# KiCad board Sofle_Pico.kicad_pcb (continued)
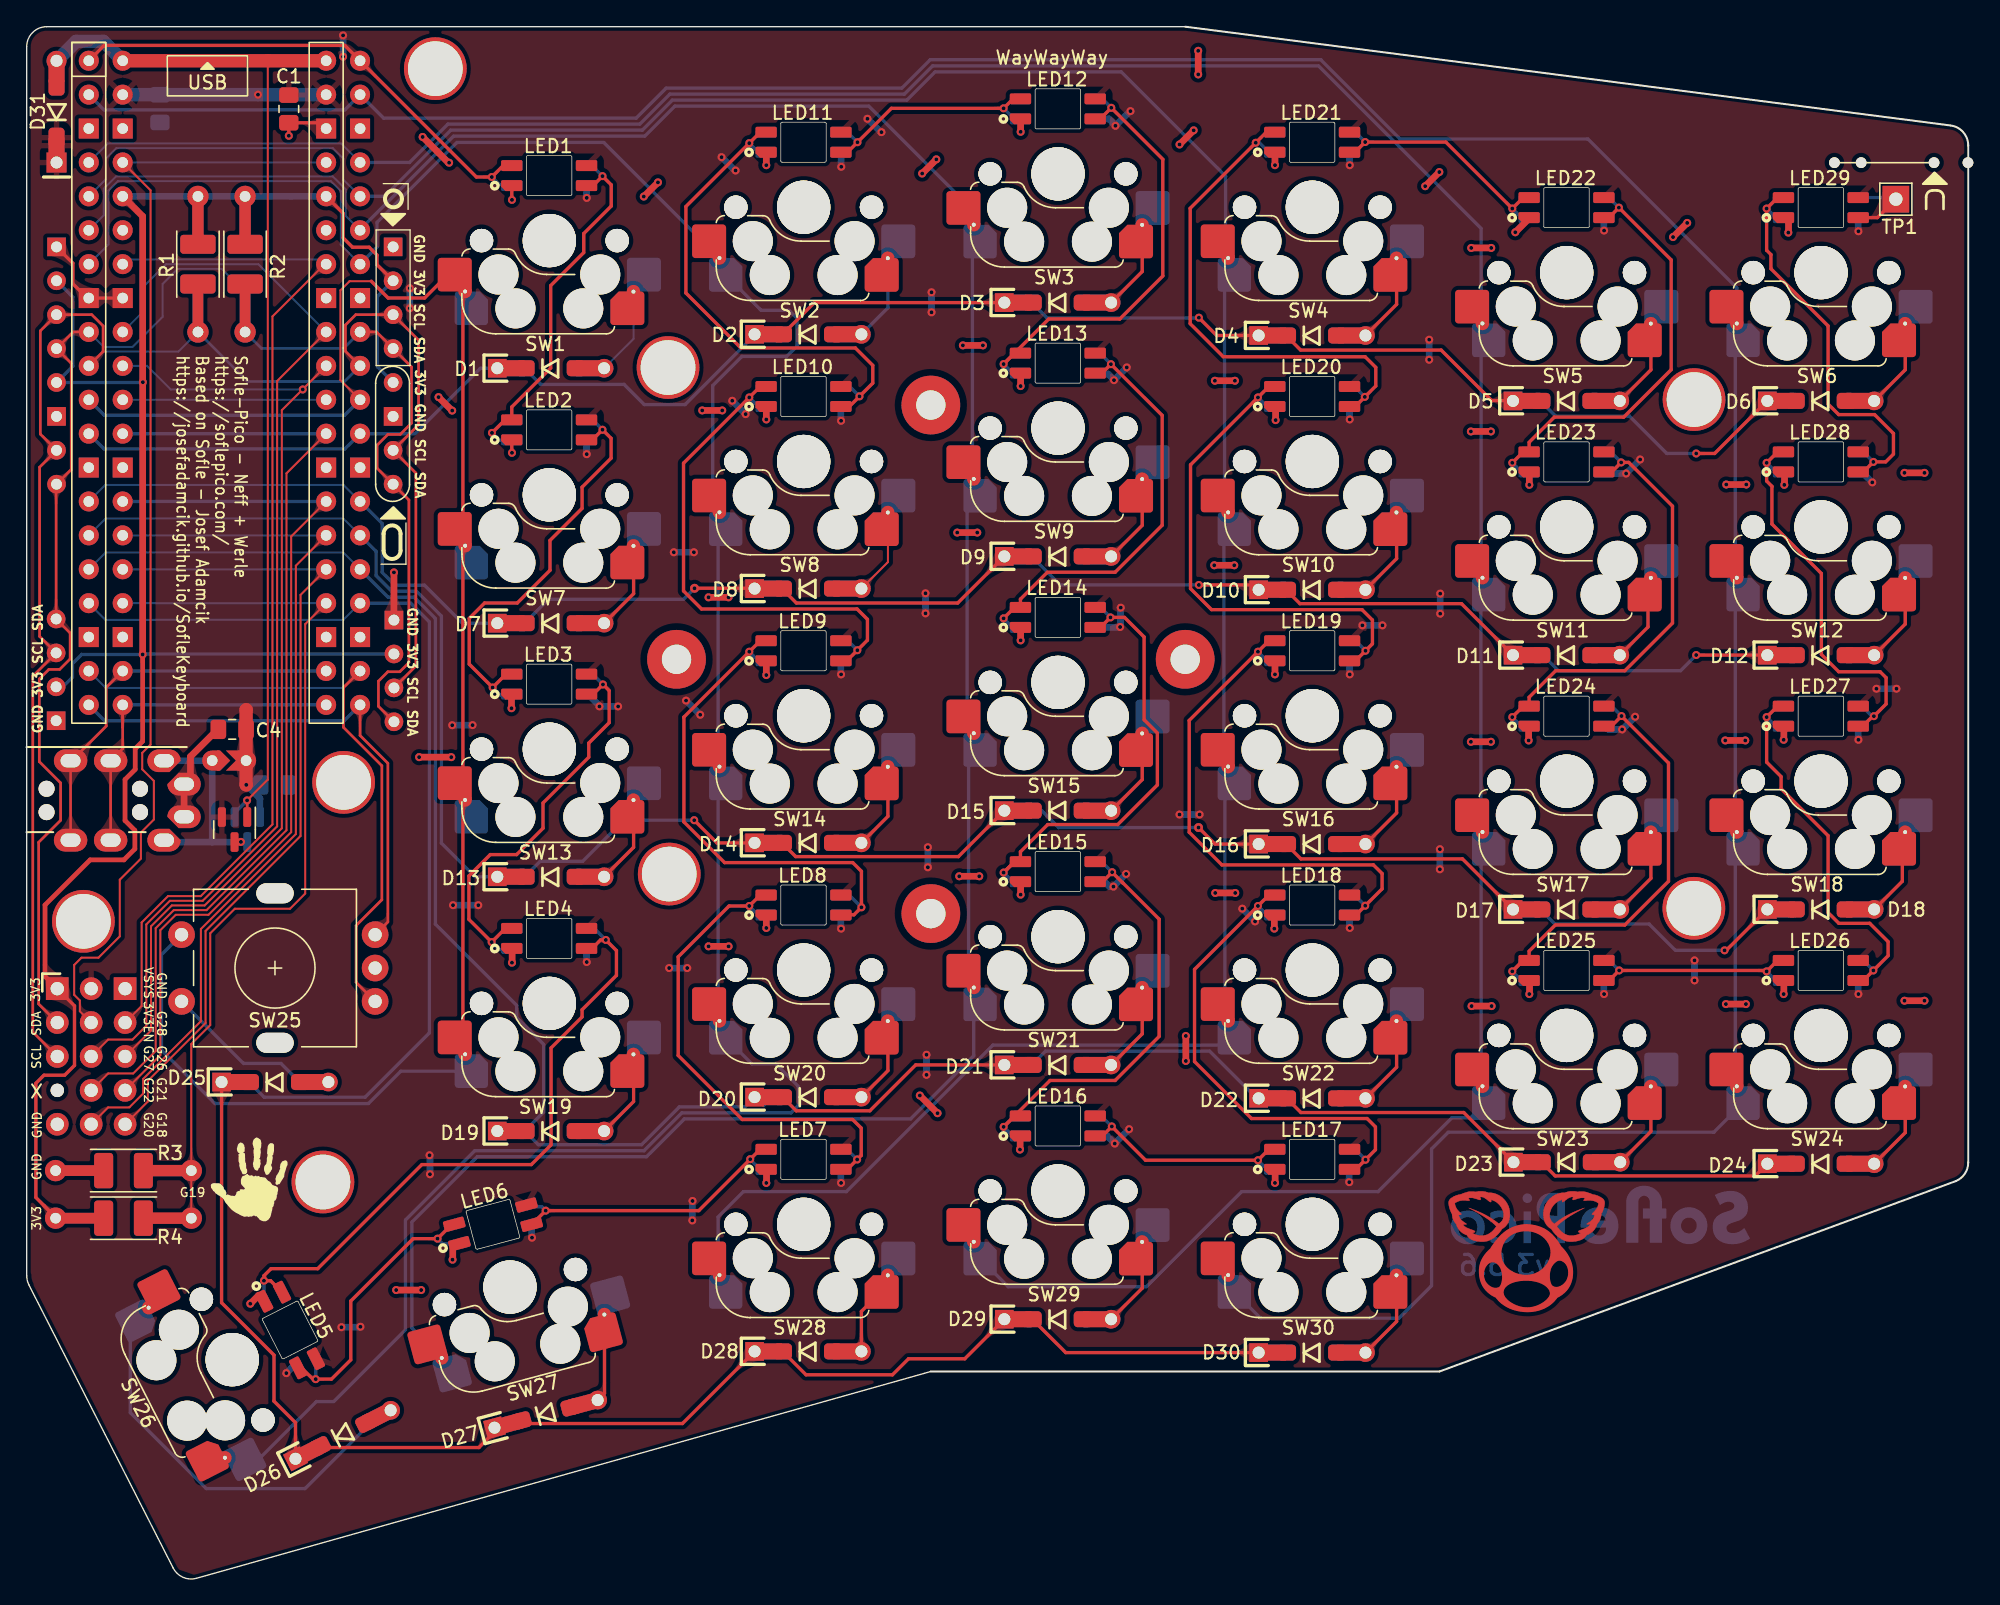
[diagram p0: board, top side]
## Nets
3V3: J1.1 J3.3 J4.3 J7.3 R1.1 R2.1 R4.2 U2.36
/3V3_EN: J5.4 U2.37
GND: C1.2 C2.2 C3.2 C4.2 J1.5 J2.1 J3.4 J4.4 J5.1 J7.4 LED1.1 LED2.1 LED3.1 LED4.1 LED5.1 LED6.1 LED7.1 LED8.1 LED9.1 LED10.1 LED11.1 LED12.1 LED13.1 LED14.1 LED15.1 LED16.1 LED17.1 LED18.1 LED19.1 LED20.1 LED21.1 LED22.1 LED23.1 LED24.1 LED25.1 LED26.1 LED27.1 LED28.1 LED29.1 R3.2 SW25.C U2.3 U2.8 U2.13 U2.18 U2.23 U2.28 U2.33 U2.38
VBUS: D31.2 Q1.1 U2.40
col0: SW6.1 SW12.1 SW18.1 SW24.1 SW30.1 U2.2
col1: SW5.1 SW11.1 SW17.1 SW23.1 SW29.1 U2.4
col2: SW4.1 SW10.1 SW16.1 SW22.1 SW28.1 U2.5
col3: SW3.1 SW9.1 SW15.1 SW21.1 SW27.1 U2.6
col4: SW2.1 SW8.1 SW14.1 SW20.1 SW26.2 U2.7
col5: SW1.1 SW7.1 SW13.1 SW19.1 SW25.S1 U2.11
ENCA: SW25.A U2.19
ENCB: SW25.B U2.20
GP18: R3.1 R4.1 U2.24
GP19: J5.9 U2.25
GP20: J5.10 U2.26
GP21: J5.7 U2.27
GP22: J5.8 U2.29
GP26: J5.5 U2.31
GP27: J5.6 U2.32
GP28: J5.3 U2.34
LED: LED1.2 U2.1
row0: D1.1 D2.1 D3.1 D4.1 D5.1 D6.1 U2.12
row1: D7.1 D8.1 D9.1 D10.1 D11.1 D12.1 U2.14
row2: D13.1 D14.1 D15.1 D16.1 D17.1 D18.1 U2.15
row3: D19.1 D20.1 D21.1 D22.1 D23.1 D24.1 U2.16
row4: D25.1 D26.1 D27.1 D28.1 D29.1 D30.1 U2.17
RX: J2.4 U2.22
SCL: J1.3 J3.2 J4.2 J7.2 R1.2 U2.10
SDA: J1.2 J3.1 J4.1 J7.1 R2.2 U2.9
SW25B: D25.2 SW25.S2
TX: J2.3 U2.21
VSYS: C1.1 C2.1 C3.1 C4.1 D31.1 J5.2 JP2.2 LED1.3 LED2.3 LED3.3 LED4.3 LED5.3 LED6.3 LED7.3 LED8.3 LED9.3 LED10.3 LED11.3 LED12.3 LED13.3 LED14.3 LED15.3 LED16.3 LED17.3 LED18.3 LED19.3 LED20.3 LED21.3 LED22.3 LED23.3 LED24.3 LED25.3 LED26.3 LED27.3 LED28.3 LED29.3 Q1.2 U2.39
Net-(D1-A): D1.2 SW1.2
Net-(D2-A): D2.2 SW2.2
Net-(D3-A): D3.2 SW3.2
Net-(D4-A): D4.2 SW4.2
Net-(D5-A): D5.2 SW5.2
Net-(D6-A): D6.2 SW6.2
Net-(D7-A): D7.2 SW7.2
Net-(D8-A): D8.2 SW8.2
Net-(D9-A): D9.2 SW9.2
Net-(D10-A): D10.2 SW10.2
Net-(D11-A): D11.2 SW11.2
Net-(D12-A): D12.2 SW12.2
Net-(D13-A): D13.2 SW13.2
Net-(D14-A): D14.2 SW14.2
Net-(D15-A): D15.2 SW15.2
Net-(D16-A): D16.2 SW16.2
Net-(D17-A): D17.2 SW17.2
Net-(D18-A): D18.2 SW18.2
Net-(D19-A): D19.2 SW19.2
Net-(D20-A): D20.2 SW20.2
Net-(D21-A): D21.2 SW21.2
Net-(D22-A): D22.2 SW22.2
Net-(D23-A): D23.2 SW23.2
Net-(D24-A): D24.2 SW24.2
Net-(D26-A): D26.2 SW26.1
Net-(D27-A): D27.2 SW27.2
Net-(D28-A): D28.2 SW28.2
Net-(D29-A): D29.2 SW29.2
Net-(D30-A): D30.2 SW30.2
Net-(JP2-A): J2.2 JP2.1 Q1.3
Net-(LED1-DOUT): LED1.4 LED2.2
Net-(LED2-DOUT): LED2.4 LED3.2
Net-(LED3-DOUT): LED3.4 LED4.2
Net-(LED4-DOUT): LED4.4 LED5.2
Net-(LED5-DOUT): LED5.4 LED6.2
Net-(LED6-DOUT): LED6.4 LED7.2
Net-(LED7-DOUT): LED7.4 LED8.2
Net-(LED8-DOUT): LED8.4 LED9.2
Net-(LED10-DIN): LED9.4 LED10.2
Net-(LED10-DOUT): LED10.4 LED11.2
Net-(LED11-DOUT): LED11.4 LED12.2
Net-(LED12-DOUT): LED12.4 LED13.2
Net-(LED13-DOUT): LED13.4 LED14.2
Net-(LED14-DOUT): LED14.4 LED15.2
Net-(LED15-DOUT): LED15.4 LED16.2
Net-(LED16-DOUT): LED16.4 LED17.2
Net-(LED17-DOUT): LED17.4 LED18.2
Net-(LED18-DOUT): LED18.4 LED19.2
Net-(LED19-DOUT): LED19.4 LED20.2
Net-(LED20-DOUT): LED20.4 LED21.2
Net-(LED21-DOUT): LED21.4 LED22.2
Net-(LED22-DOUT): LED22.4 LED23.2
Net-(LED23-DOUT): LED23.4 LED24.2
Net-(LED24-DOUT): LED24.4 LED25.2
Net-(LED25-DOUT): LED25.4 LED26.2
Net-(LED26-DOUT): LED26.4 LED27.2
Net-(LED27-DOUT): LED27.4 LED28.2
Net-(LED28-DOUT): LED28.4 LED29.2
Net-(LED29-DOUT): LED29.4 TP1.1

Pads without a net: REF** 1; U2 30 35

## Via types
v1: diameter 0.6, hole 0.3, Top to Bottom, 248 vias
v2: diameter 0.67, hole 0.3, Top to Bottom, 2 vias

## Routing (per net, layer and track width the routed paths; a pad name or vN(x,y) marks a point on that pad's centre or on a via; arc(x,y) is an arc through that point)
3V3: length 161.3
  Top w0.25: 1.86,27.36 1.3,27.92 ; 1.3,27.92 0.69,28.53 0.69,37.08 1.29,37.69 2.84,37.69 3.58,38.43 3.58,42.88 J1.1 ; 1.3,27.92 2.24,26.98 ; J3.3 26.24,98.42 26.24,99.14 25.65,99.72 24.41,99.72 23.7,100.43 23.7,102.27 U2.36
  Top w0.35: J1.1 1.37,45.09 1.37,50.44 4.75,53.82 7.28,53.82 8.1,54.64 8.1,56.03 7.37,56.77 7.37,59.84 8.13,60.6 8.13,62.15 8.69,62.71 v1(8.69,69.22)
  Top w0.5: v1(8.69,69.22) 8.69,102.04 U2.36
  Bottom w0.25: 2.71,66.79 3.43,67.51 3.43,68.53 4.11,69.22 v1(8.69,69.22) 8.72,69.25 J4.3 ; v1(8.7,89.61) 8.68,89.59 J3.3 3.46,90.81 3.46,95.99 J3.3 ; J3.3 26.27,96.03 26.27,90.77 J3.3 ; 19.79,103.54 19.8,103.53 19.8,103.54
  Bottom w0.5: U2.36 19.79,103.54 ; U2.36 19.8,103.54
/3V3_EN: length 84.9
  Top w0.15: 4.83,41.64 3.98,42.48 3.98,43.29 3.56,43.71 3.56,45.95 4.1,46.5 5.37,46.5 6.97,48.09 6.97,52.34 8.55,53.92 8.55,55.87 9.52,56.85 9.52,59.74 8.65,60.61 8.65,61.84 9.27,62.46 9.27,103.99 U2.37
  Bottom w0.15: U2.37 U2.37
GND: length 98.4
  Top w0.25: v1(19.63,108.07) C1.2 22,109.05 ; v1(36.35,103.27) 36.33,103.29 LED1.1 ; 4.52,95.92 3.46,96.98 3.46,98.53 J3.4 ; 27.55,75.37 27.52,75.37 v1(27.51,75.36) ; v1(36.35,84.32) 36.33,84.34 LED2.1 ; U2.8 U2.33
  Top w0.5: v1(71.62,92.37) v1(70.12,92.37) ; v1(47.28,104.58) v1(46.22,103.52) ; v1(112.5,62.77) 112.5,63.73 ; 12.27,59.98 12.27,61.57 14.13,63.42 ; v1(109.67,62.67) v1(108.17,62.67) ; v1(90.5,89.72) v1(89,89.72) ; v1(131.95,100.82) 131.96,100.84 131.96,101.79 ; v1(140.65,82.82) v1(142.15,82.82) ; 131.66,82.89 131.66,81.94 v1(131.65,81.92) ; 36.36,47.09 36.36,46.14 v1(36.35,46.12) ; v1(142.15,43.27) v1(140.65,43.27) ; v1(111.5,100.85) 112.51,101.86 ; v1(55.4,67.67) 55.4,68.63 ; v1(112.55,81.92) 112.55,82.88 ; v1(55.4,48.72) 55.4,49.68 ; v1(105.81,105.36) v1(104.75,104.3) ; v1(109.72,42.87) v1(108.22,42.87) ; v1(31.87,87.48) 31.86,87.48 v1(30.85,88.5) ; v1(127.22,62.77) v1(128.72,62.77) ; v1(31.8,61.52) v1(29.39,61.52) ; v1(74.45,89.32) 74.45,90.28 ; v1(93.45,48.67) 93.45,49.63 ; v1(55.4,105.87) 55.4,106.83 ; 74.41,33.09 74.41,32.14 v1(74.4,32.12) ; v1(31.64,106.06) 31.59,106.06 v1(29.66,107.99) 29.63,108.01 ; v1(93.5,29.62) 93.51,29.64 93.51,30.59 ; v1(68.22,34.85) v1(66.9,36.17) ; v1(52.57,73.5) v1(51.07,73.5) ; v1(55.4,29.62) 55.41,29.64 55.41,30.59 ; v1(93.5,105.87) 93.5,106.83 ; v1(112.55,43.77) 112.56,43.79 112.56,44.74 ; v1(55.4,86.82) 55.4,87.78 ; J2.1 J2.1 ; v1(131.6,62.82) 131.61,62.84 131.61,63.79 ; v1(87.41,108.48) v1(86.35,107.42) ; v1(69.7,78.35) v1(71.2,78.35) ; v1(131.6,43.77) 131.61,43.79 131.61,44.74 ; v1(109.67,85.92) v1(108.17,85.92) ; v1(93.55,86.77) 93.55,87.73 ; v1(29.55,21.6) v1(27.67,21.6) ; v1(128.8,81.95) v1(127.3,81.95) ; 31.9,23.92 31.91,23.94 31.91,24.99 ; v1(93.5,67.72) 93.5,68.68 ; v1(52.57,47.35) v1(51.07,47.35) ; v1(36.31,65.19) 36.31,66.14 ; v1(90.45,75.9) v1(88.95,75.9) ; v1(71.35,52.6) v1(69.85,52.6) ; 17.72,21.21 17.38,21.21 v1(16.75,20.57) ; v1(27.51,75.36) J4.4 ; v1(52.1,87.5) v1(50.6,87.5) ; v1(68.13,106.31) v1(67.07,105.25) ; v1(109.7,99.67) v1(108.2,99.67) ; v1(74.45,51.22) 74.45,52.18 ; v1(74.45,70.27) 74.45,71.23 ; v1(86.82,38.76) v1(86.82,40.63) ; v1(87.75,114.44) v1(87.75,112.67) ; v1(90.52,51.35) v1(89.02,51.35) ; v1(74.45,108.37) 74.45,109.33 ; v1(128.77,43.02) v1(127.27,43.02) ; v1(124.37,101.55) v1(123.31,100.48)
  vias: v1(31.9,23.87)
VBUS: length 81.7
  Top w0.15: 18.08,113.7 18.06,113.67 18.06,59.83 v1(16.51,58.28)
  Top w0.2: 16.52,56.77 16.52,58.29
  Top w1: U2.40 U2.40
  Bottom w0.25: v1(16.51,58.28) 15.57,57.35
  Bottom w1: U2.40 5.74,115.15 3.71,115.15 2.25,113.69 ; 2.22,112.34 2.22,113.72
col0: length 244.9
  Bottom w0.25: SW24.1 128.09,35.13 126.37,33.42 106.47,33.42 105.22,32.17 105.22,21.92 102.79,19.49 92.42,19.49 SW30.1 ; 128.04,92.47 127.97,92.41 127.97,36.98 127.99,36.96 ; U2.2 5.79,110.01 23.83,110.01 U2.2 26.73,109.4 45.65,109.4 47.9,111.65 65.55,111.65 67.67,113.77 96.93,113.77 102.87,107.83 116.94,107.83 128.09,96.68 SW6.1
col1: length 225.9
  Bottom w0.15: U2.4 23.55,107.5 6.07,107.5 U2.4
  Bottom w0.25: 108.94,94.11 108.94,101.13 96.76,113.31 67.85,113.31 65.74,111.2 48.17,111.2 45.92,108.95 31.55,108.95 28.68,106.08 U2.4 ; SW29.1 73.51,21.85 83.87,21.85 91,28.97 101.22,28.97 106.75,34.5 109.04,34.5 SW23.1 109.04,35.39 108.15,34.5 ; 108.94,93.91 108.94,75.06 ; 108.92,74.85 108.92,56.03 ; 108.94,55.81 108.94,36.96
col2: length 207.6
  Bottom w0.15: U2.5 23.72,104.78 23.72,106.35 22.92,107.15 6.72,107.15 5.94,106.38 5.94,104.83 U2.5
  Bottom w0.25: U2.5 26.8,103.54 31.76,108.5 46.11,108.5 48.36,110.75 65.92,110.75 68.04,112.86 81.98,112.86 89.8,105.05 89.8,99.1 ; 89.66,39.95 72.37,39.95 61.4,28.97 53.68,28.97 51.79,27.07 51.79,22.81 ; SW4.1 89.72,98.65 89.72,80.13 SW10.1 89.67,79.55 89.67,61.13 SW16.1 ; 89.75,42 89.75,60.57
col3: length 201.6
  Bottom w0.15: U2.6 23.9,102.07 23.9,104.05 22.93,105.02 6.69,105.02 5.78,104.11 5.78,102.12 U2.6
  Bottom w0.25: 25.42,101 25.42,101.5 31.97,108.05 46.29,108.05 48.54,110.3 63.07,110.3 70.94,102.43 SW3.1 ; SW27.1 28.85,18.75 28.85,26.68 33.75,31.58 46.42,31.58 49.26,34.42 66.21,34.42 70.94,39.15 SW21.1 ; SW9.1 70.44,81.86 70.44,63.81 SW15.1 70.55,62.92 70.55,43.6 ; 70.84,82.46 70.84,101.31
col4: length 198
  Bottom w0.15: U2.7 6.13,99.93 6.13,103.97 6.83,104.67 22.78,104.67 23.52,103.93 23.52,99.9 U2.7
  Bottom w0.25: U2.7 26.24,99.72 26.24,101.59 32.22,107.57 43.23,107.57 SW2.1 51.37,98.4 ; 51.79,40.81 51.79,60.71 ; 17.36,8.91 21.7,13.25 23,13.25 28.37,18.62 28.37,26.85 33.56,32.03 46.23,32.03 49.07,34.87 57.25,34.87 57.8,35.42 57.8,36.85 56.11,38.54 54.32,38.54 SW20.1 ; SW20.1 51.89,40.19 ; SW2.1 55,95 57.09,95 57.7,94.4 57.7,92.32 56.92,91.55 53.57,91.55 51.39,89.36 51.39,80.36 SW8.1 51.37,80.38 ; 51.79,60.91 51.79,79.76
col5: length 128.6
  Top w0.15: U2.11 23.5,89.77 23.5,96.49 24.18,97.18 25.81,97.18
  Top w0.25: 25.81,97.18 27.07,95.92 29.81,95.92 31.57,97.68 SW1.1 ; 32.67,60.47 32.67,77.2 ; 32.67,58.15 32.67,41.37 ; 32.67,96.24 32.67,77.53
  Bottom w0.25: U2.11 23.8,87.13 5.82,87.13 U2.11 ; 33.06,37.99 28.02,37.99 25.6,35.57 14.1,35.57 10.1,39.57 10.1,46.72 SW25.S1
ENCA: length 49.2
  Top w0.2: U2.19 23.72,66.73 23.72,63.76 26.6,60.88 26.6,50.83 24.67,48.91 24.67,44.65 SW25.A
  Bottom w0.15: U2.19 5.92,66.71 23.7,66.71 U2.19
ENCB: length 39.8
  Top w0.2: SW25.B 27.05,49.17 27.05,61.06 24.97,63.14 U2.20
  Bottom w0.25: U2.20 5.84,64.25 23.78,64.25 U2.20
GP18: length 67.9
  Top w0.15: U2.24 20.86,71.49 20.86,51.3 19.73,50.17 15.59,50.17 13.75,48.32 13.75,41.45 12.33,40.03 R3.1 R4.1
  Bottom w0.15: U2.24 U2.24
GP19: length 63
  Top w0.15: J5.9 9.07,35.72 9.07,37.27 13.4,41.59 13.4,48.5 20.51,55.61 20.51,73.68 U2.25
  Bottom w0.15: 7.19,75.59 22.42,75.59
GP20: length 67.6
  Top w0.15: U2.26 20.16,75.87 20.16,55.76 13.05,48.65 13.05,41.74 8.72,37.41 8.72,36.32 7.69,35.28 6.09,35.28 J5.10
  Bottom w0.15: U2.26 U2.26
GP21: length 67
  Top w0.15: J5.7 10.01,39.2 10.01,48.56 11.16,49.71 13.61,49.71 19.81,55.9 19.81,78.06 U2.27
  Bottom w0.25: U2.27 U2.27
GP22: length 74.3
  Top w0.15: U2.29 19.46,82.79 19.46,56.05 13.47,50.06 11.02,50.06 9.66,48.7 9.66,39.51 7.97,37.82 6.09,37.82 J5.8
  Bottom w0.25: U2.29 U2.29
GP26: length 73.6
  Top w0.15: U2.31 19.11,87.52 19.11,56.19 13.32,50.41 10.87,50.41 9.31,48.85 9.31,41.04 J5.5
  Bottom w0.15: U2.31 9.02,90.84 10.79,89.07 v1(20.68,89.07)
GP27: length 84.6
  Top w0.15: U2.32 18.76,89.71 18.76,56.34 13.18,50.76 10.73,50.76 8.96,48.99 8.96,41.4 7.92,40.36 6.09,40.36 J5.6
  Bottom w0.15: U2.32 8.74,94.92 8.74,96.76 10.43,98.45 17.35,98.45 U2.32
GP28: length 79
  Top w0.15: 22.32,98.46 18.41,94.54 18.41,56.48 13.03,51.11 10.58,51.11 8.61,49.14 8.61,42.88 7.37,41.64
  Bottom w0.15: 7.54,98.81 22.08,98.81
LED: length 37.8
  Top w0.25: 35.72,105.87 v1(34.83,104.98) 33.68,104.98 U2.1 23.82,114.85 5.8,114.85 U2.1
  Bottom w0.25: 36.41,104.43 35.39,104.43 v1(34.83,104.98)
row0: length 129
  Top w0.25: D3.1 59,95.58 D2.1 ; D4.1 95.41,92.02 105.94,92.02 109.73,88.23 111.3,88.23 ; D4.1 89.13,93.11 v1(87.8,94.45) ; v1(125.05,84.27) 126.43,84.27 130.37,88.21
  Bottom w0.25: v1(125.05,84.27) 122.85,84.27 120.05,87.07 114.51,87.07 D5.1 ; v1(87.8,94.45) 87.77,94.42 76.43,94.42 D3.1 ; 54.52,93.14 49.31,87.94 46.26,87.94 44.75,89.45 38.51,89.45 D1.1 ; U2.12 5.79,84.61 23.83,84.61 U2.12 29.08,85.76 33.98,90.66 D1.1
row1: length 130.9
  Top w0.25: D9.1 69.73,73.07 57.65,73.07 D8.1 ; D11.1 107.46,73.02 95.36,73.02 D10.1 ; 54.5,74.17 v2(50.02,74.17) ; v1(125.05,69.17) 130.36,69.17 ; v1(87.8,74.42) 91.91,74.42
  Bottom w0.15: U2.14 23.73,81.92 5.89,81.92 U2.14
  Bottom w0.25: D11.1 113.56,69.16 114.72,68 123.87,68 v1(125.05,69.17) ; D9.1 77.41,74.42 v1(87.8,74.42) ; D7.1 32.63,71.56 29.79,74.41 27.58,74.41 26.62,75.36 26.62,79.02 U2.14 ; v2(50.02,74.17) 49.2,73.35 39.08,73.35 D7.1
row2: length 148.1
  Top w0.25: D16.1 89.01,55.01 v2(87.77,56.25) ; v1(127.17,47.05) 127.3,47.05 130.36,50.11 D18.1 ; D15.1 69.78,54.07 57.6,54.07 D14.1 ; v1(50,56.8) 51.7,55.1 54.52,55.1 ; D16.1 95.43,53.9 107.53,53.9 D17.1
  Bottom w0.15: U2.15 23.7,79.4 5.92,79.4 U2.15
  Bottom w0.25: D17.1 114.46,49.02 121.52,49.02 123.5,47.05 v1(127.17,47.05) ; D15.1 76.02,57.51 77.29,56.25 v2(87.77,56.25) ; D13.1 38.46,53.72 41.65,53.72 44.72,56.8 v1(50,56.8) ; D13.1 33.58,52.56 31.06,55.08 31.06,72.09 29.2,73.96 27.34,73.96 26.17,75.12 26.17,76.93 U2.15
row3: length 165.5
  Top w0.25: D22.1 95.44,34.9 107.64,34.9 D23.1 ; D23.1 114.49,30.15 129.46,30.15 D24.1 ; D20.1 57.64,35.02 63.15,35.02 66.59,38.46 D21.1
  Bottom w0.15: U2.16 23.7,76.86 5.91,76.86 U2.16
  Bottom w0.25: 92.13,35.96 88.6,39.5 76.31,39.5 D21.1 ; D20.1 55.19,35.42 ; U2.16 27.06,73.51 29.01,73.51 30.61,71.91 30.61,49.01 36.7,42.92 36.7,42.02 38.72,40 38.72,34.93 D19.1 38.32,32.48 46.05,32.48 48.89,35.32 53.79,35.32 D20.1 ; 37.23,33.51 D19.1
row4: length 175.8
  Top w0.25: D29.1 70.26,16.45 66.05,16.45 64.85,15.25 58.37,15.25 D28.1 ; D29.1 77.82,16.91 D30.1 ; 35.04,10.96 33.87,9.8 21.89,9.8 21,8.91 ; D26.1 20.13,11.66 18.52,13.27 18.52,16.72 14.6,20.65 D25.1 ; 37.3,11.6 49.12,11.6 D28.1
  Bottom w0.15: U2.17 5.89,71.81 23.72,71.81 U2.17
  Bottom w0.25: U2.17 28.76,73.06 30.16,71.66 30.16,40.86 25.35,36.05 17.78,36.05 D25.1
RX: length 29.5
  Top w0.2: U2.22 5.95,66.74 5.95,63.84 3.36,61.25 ; J2.4 J2.4
  Bottom w0.25: U2.22 U2.22
SCL: length 128.1
  Top w0.2: U2.10 23.87,91.93 23.87,93.9 24.65,94.67 J3.2 29.35,92.77 29.35,86.41 J3.2 29.15,82.81 29.15,68.35 J4.2 ; J1.3 0.46,40.93 0.46,67.58 J7.2 0.97,70.57 0.97,83.24 J3.2 1.02,85.72 1.02,93.46 J3.2 4.87,94.67 5.72,93.82 5.72,91.91 U2.10
  Bottom w0.15: R1.2 11.36,91.9 5.72,91.9 U2.10
  Bottom w0.2: U2.10 23.8,89.67 16.53,89.67 R1.2
SDA: length 119.7
  Top w0.2: J4.1 26.35,65.33 26.35,67.22 27.05,67.92 27.95,67.92 28.63,68.6 28.63,80.79 J3.1 26.25,83.17 26.25,84.9 27.05,85.7 27.97,85.7 28.82,86.55 28.82,90.75 J3.1 26.2,93.38 U2.9 ; 2.2,81.94 J7.1 3.26,70.82 3.26,68.88 2.47,68.1 1.66,68.1 0.94,67.38 0.94,61.19 2.54,59.59 2.54,56.79 0.9,55.14 0.9,43.03 2.29,41.64 ; J3.1 3.34,83.07 3.34,91.03 J3.1 3.48,93.38 U2.9
  Bottom w0.15: U2.9 5.77,92.25 7.92,92.25 10.18,94.51 10.18,96.98 11.31,98.1 14.61,98.1 15.74,96.97
  Bottom w0.2: U2.9 23.74,92.15 17.58,92.15 R2.2
SW25B: length 11.3
  Bottom w0.25: SW25.S2 16.25,38.57 19.05,38.57 20.44,37.18
TX: length 26
  Top w0.2: 7.19,64.75 7.19,63.75 ; 7.19,63.75 7.19,62.15 6.85,61.81 ; 7.19,63.75 U2.21 ; J2.3 J2.3
  Bottom w0.25: U2.21 U2.21
VSYS: length 111.2
  Top w1: 16.45,65.07 16.43,65.06 JP2.2 16.43,59.46 v1(16.45,59.45)
  Bottom w0.25: 51.9,106.62 v1(52.05,106.47) ; 67.4,37.84 v1(67.4,37.72) ; 67.5,53.39 v1(67.5,53.27) ; 100.17,71.4 v1(100.04,71.4) ; 67.77,96.22 v1(67.77,96.35) ; 86.47,57.22 v1(86.34,57.22) ; 33.26,63.91 33.27,63.92 v1(33.4,63.92) ; 105.05,91.42 v1(105.05,91.29) ; 105.87,72.39 v1(105.87,72.27) ; 49.47,65.67 v1(49.38,65.76) ; 105.85,53.24 v1(105.85,53.12) ; 124.92,44.92 v1(124.92,44.79) ; 67.32,73.67 v1(67.32,73.8) ; 48.59,76.87 v1(48.47,76.87) ; 33.7,50.43 v1(33.83,50.43) ; 24.96,18.81 v1(25,18.85) ; 62.82,109.5 v1(62.97,109.35) ; 28.7,95.27 v1(28.7,95.15) ; 138.67,66.65 v1(138.54,66.65) ; 30.21,31.66 v1(30.17,31.7)
  Bottom w0.5: v1(67.32,73.8) v1(67.32,72.29) ; v1(99.1,67.72) 99.08,67.74 99.08,68.69 ; v1(48.12,45.72) v1(49.47,45.72) ; LED21.3 99.08,105.89 v1(99.1,105.87) ; v1(19.45,15.37) 19.84,15.77 LED5.3 ; JP2.2 16.43,59.46 17.47,58.42 Q1.2 ; LED1.3 41.93,103.44 v1(41.95,103.42) ; 118.25,82.77 v1(119.8,82.77) v1(120.85,83.82) ; v1(44.3,65.32) v1(42.9,65.32) 42.9,65.37 42.03,66.24 ; 137.18,63.79 137.18,62.84 v1(137.2,62.82) ; 137.18,101.89 137.18,100.94 v1(137.2,100.92) ; v1(33.83,50.43) v1(31.93,50.43) ; 60.98,30.59 60.98,29.64 v1(61,29.62) ; LED2.3 41.93,84.24 v1(41.95,84.22) ; v1(67.77,96.35) v1(67.77,94.85) ; v1(81.95,72.72) 81.9,72.72 81.93,72.69 81.93,71.3 v1(81.9,71.27) 81.87,71.24 LED14.3 ; 80.1,90.22 81,90.22 81.44,89.78 v1(81.44,89.76) v1(82.4,90.72) ; v1(37.85,25.52) 37.82,25.55 LED6.3 ; 137.18,44.74 137.18,43.79 v1(137.2,43.77) ; v1(53.1,105.47) 53.05,105.47 v1(52.05,106.47) ; LED16.3 80.93,33.14 v1(81.5,32.57) v1(82.57,33.65) ; v1(82.67,109.92) 82.65,109.92 v1(81.55,108.82) 81.35,109.02 81.35,109.05 81.05,109.34 LED12.3 ; LED20.3 99.08,86.84 v1(99.1,86.82) ; 60.98,87.69 60.98,86.74 v1(61,86.72) ; v1(52.85,88.22) v1(53.85,87.22) ; LED15.3 80.73,52.19 81.1,51.82 v1(81.4,51.82) v1(82.35,52.77) ; v1(138.54,66.65) v1(140.05,66.65) ; v1(61.01,105.75) 61,105.77 61,106.72 ; v1(30.21,30.27) 30.21,31.66 ; 99.05,30.65 99.05,29.69 v1(99.06,29.68) ; v1(67.4,37.72) v1(67.4,39.22) ; LED22.3 118.13,100.99 v1(118.15,100.97) ; 118.33,63.75 118.48,63.6 v1(119.5,63.6) 119.52,63.6 v1(120.47,64.55) ; v1(100.04,71.4) v1(101.55,71.4) ; v1(49.38,65.76) v1(50.45,64.7) ; v1(86.34,57.22) v1(87.85,57.22) ; v1(49.87,28.27) 49.85,28.25 v1(49.85,26.81) ; v1(48.47,76.87) v1(49.97,76.87) ; v1(61,48.67) 60.98,48.69 60.98,49.64 ; 60.98,68.69 60.98,67.74 v1(61,67.72) ; LED18.3 99.08,48.74 v1(99.1,48.72) ; v1(23.57,18.81) 24.96,18.81 ; v1(124.92,44.79) v1(124.92,46.3) ; v1(105.85,53.12) v1(105.85,54.62) ; v1(28.7,95.15) v1(28.7,96.65) ; v1(62.97,109.35) 63.97,108.35 v1(64.02,108.35) ; v1(92,49.21) v1(91.05,50.17) ; v1(105.87,72.27) v1(105.87,73.77) ; v1(31.87,63.91) 33.26,63.91 ; v1(41.95,46.17) 41.93,46.19 41.93,47.14 ; 118.13,44.74 118.13,43.79 v1(118.15,43.77) ; v1(67.5,53.27) v1(67.5,54.77) ; v1(138.23,82.11) 137.45,82.89 ; v1(23.7,115.6) v1(23.7,114) ; v1(105.05,91.29) v1(105.05,92.8)
  Bottom w1: v1(16.45,59.45) 17.52,59.45 ; U2.39 v1(17.32,111.16) U2.39
Net-(D1-A): length 6.7
  Bottom w0.15: 45.46,96.41 45.46,92.87 D1.2
Net-(D2-A): length 6.5
  Bottom w0.25: D2.2 64.51,95.19 64.51,98.91
Net-(D3-A): length 6.8
  Top w0.25: 83.56,101.41 83.56,97.91 D3.2
Net-(D4-A): length 6.8
  Top w0.25: 102.61,98.91 102.61,95.44 D4.2
Net-(D5-A): length 6.8
  Top w0.25: D5.2 121.66,90.54 121.66,94.01
Net-(D6-A): length 6.8
  Top w0.25: 140.71,94.01 140.71,90.54 D6.2
Net-(D7-A): length 6.7
  Top w0.25: 45.46,77.36 45.46,73.77 D7.2
Net-(D8-A): length 6.5
  Top w0.15: 64.51,79.86 64.51,76.14 D8.2
Net-(D9-A): length 6.8
  Top w0.25: D9.2 83.56,78.89 83.56,82.36
Net-(D10-A): length 6.8
  Top w0.25: 102.61,79.86 102.61,76.39 D10.2
Net-(D11-A): length 5.4
  Top w0.25: 121.44,73.69 121.44,71.27 D11.2
Net-(D12-A): length 6.8
  Top w0.25: D12.2 140.71,71.49 140.71,74.96
Net-(D13-A): length 6.7
  Top w0.25: 45.46,58.31 45.46,54.77 D13.2
Net-(D14-A): length 6.5
  Top w0.25: D14.2 64.51,57.09 64.51,60.81
Net-(D15-A): length 6.8
  Top w0.25: 83.56,63.31 83.56,59.84 D15.2
Net-(D16-A): length 6.8
  Top w0.25: 102.61,60.81 102.61,57.34 D16.2
Net-(D17-A): length 6.8
  Top w0.25: D17.2 121.66,52.44 121.66,55.91
Net-(D18-A): length 5.4
  Top w0.25: D18.2 140.49,52.22 140.49,54.64
Net-(D19-A): length 6.7
  Top w0.245: D19.2 45.46,35.72 45.46,39.26
Net-(D20-A): length 6.5
  Top w0.25: D20.2 64.51,38.04 64.51,41.76
Net-(D21-A): length 6.8
  Top w0.25: D21.2 83.56,40.79 83.56,44.26
Net-(D22-A): length 6.8
  Top w0.25: 102.61,41.76 102.61,38.29 D22.2
Net-(D23-A): length 6.6
  Top w0.25: 121.66,36.86 121.66,33.47 D23.2
Net-(D24-A): length 6.8
  Top w0.25: 140.71,36.86 140.71,33.39 D24.2
Net-(D26-A): length 30.1
  Bottom w0.25: 7.76,18.82 7.76,12.41 13.44,6.72 20.85,6.72 26.71,12.59
Net-(D27-A): length 6.6
  Top w0.25: D27.2 43.28,13.87 43.28,19.77
Net-(D28-A): length 6.5
  Top w0.25: D28.2 62.52,20 64.5,21.97 SW28.2
Net-(D29-A): length 6.8
  Top w0.25: D29.2 83.56,21.74 83.56,25.21
Net-(D30-A): length 6.8
  Top w0.25: D30.2 102.61,19.24 102.61,22.71
Net-(JP2-A): length 16.3
  Top w0.5: v1(16.05,55.17) 16.04,55.16 15.56,55.16
  Bottom w0.5: 13.89,55.16 10.43,55.16 ; 13.89,55.16 Q1.3 ; 13.89,55.16 JP2.1 ; J2.2 13.88,61.25
Net-(LED1-DOUT): length 26.7
  Top w0.25: v1(34.85,85.81) 35.73,86.7 ; LED2.2 36.33,87.76 39.25,90.67 39.25,96.85 41.72,99.32 41.72,100.75 43.78,102.81 43.78,104.39 v1(43.13,105.05) 42.5,104.43
  Bottom w0.25: v1(34.85,85.81) 35.41,85.26 36.42,85.26 ; v1(43.13,105.05) 42.31,105.87
Net-(LED2-DOUT): length 31.2
  Top w0.25: 42.33,85.26 v1(43.13,86.05) 43.77,85.41 43.77,83.92 41.6,81.74 41.6,80.16 39.2,77.76 39.2,75.52 36.75,73.07 34.3,73.07 33.15,71.92 33.15,68.49 v1(34.9,66.74) 35.78,67.62
  Bottom w0.25: 36.47,66.18 35.46,66.18 v1(34.9,66.74) ; v1(43.13,86.05) 42.48,86.7
Net-(LED3-DOUT): length 30.8
  Top w0.25: 42.38,66.18 v1(43.16,66.97) 43.63,66.5 43.63,64.1 42.1,62.57 42.1,61.51 38.67,58.09 38.67,56.2 36.7,54.22 34.72,54.22 33.12,52.62 33.12,49.37 v1(34.82,47.66) 35.71,48.55
  Bottom w0.25: 36.4,47.11 35.38,47.11 v1(34.82,47.66) ; v1(43.16,66.97) 42.51,67.62
Net-(LED4-DOUT): length 49.3
  Top w0.25: v1(43.38,47.83) 42.98,47.83 42.26,47.11 ; 19.06,21.5 18.27,22.3 v1(17.77,22.3) 17.77,22.67 18.3,23.2 21.8,23.2 29.6,31 37.8,31 39.27,32.47 39.27,39.73 41.6,42.06 41.6,42.59 44.17,45.17 44.17,47.03 43.36,47.84
  Bottom w0.25: v1(17.77,22.3) 17.77,20.71 ; v1(43.38,47.83) 42.66,48.55
Net-(LED5-DOUT): length 22.6
  Top w0.25: 20.4,15.96 21.44,14.92 v1(21.65,14.92) 22.83,14.92 24.27,16.37 24.27,20.77 28.95,25.45 v1(30.77,25.45) 31.78,26.46
  Bottom w0.25: 32.49,25.07 31.15,25.07 v1(30.77,25.45) ; v1(21.65,14.92) 21.65,16.45
Net-(LED6-DOUT): length 22.2
  Top w0.25: 54.85,32.06 v1(54.19,31.4) 50.34,27.55 v1(38.87,27.55) 37.76,26.44
  Bottom w0.25: 37.24,27.83 38.59,27.83 v1(38.87,27.55) ; 54.19,31.38 54.95,30.62
Net-(LED7-DOUT): length 36.8
  Top w0.25: 54.86,51.11 v1(54.12,50.37) 52.61,50.37 48.8,46.56 48.8,39.17 53.6,34.37 61.87,34.37 62.51,33.73 62.51,31.68 v1(62.2,31.38) 61.44,30.62
  Bottom w0.25: v1(62.2,31.38) 61.52,32.06 ; v1(54.12,50.37) 54.83,49.67
Net-(LED8-DOUT): length 36.9
  Top w0.25: 61.47,49.71 61.96,49.71 v1(62.52,50.27) 62.52,52.97 61.87,53.62 52.27,53.62 49.22,56.67 49.22,64.52 v1(54.12,69.42) 54.86,70.16
  Bottom w0.25: v1(54.12,69.42) 54.83,68.72 ; v1(62.52,50.27) 61.6,51.19
Net-(LED10-DIN): length 37.9
  Top w0.25: 54.86,89.21 v1(54.12,88.47) 49.2,83.55 49.2,73.97 50.55,72.62 62.2,72.62 62.97,71.85 62.97,70.29 v1(62.22,69.53) 61.45,68.76
  Bottom w0.25: v1(62.22,69.53) 61.55,70.2 ; v1(54.12,88.47) 54.83,87.77
Net-(LED10-DOUT): length 37.2
  Top w0.25: 61.59,87.77 v1(62.38,88.55) 63.37,89.55 63.37,90.87 62.07,92.17 53.49,92.17 49.37,96.3 49.37,102.77 v1(54.12,107.52) 54.86,108.26
  Bottom w0.25: 60.76,89.21 61.72,89.21 v1(62.38,88.55) ; v1(54.12,107.52) 54.83,106.82
Net-(LED11-DOUT): length 16.1
  Top w0.25: 61.5,106.86 v1(62.23,107.59) 64.77,110.13 v1(73.17,110.13) 73.91,110.87
  Bottom w0.25: v1(62.23,107.59) 61.52,108.3 ; v1(73.17,110.13) 73.88,109.43
Net-(LED12-DOUT): length 32.9
  Top w0.25: 73.91,91.71 v1(73.17,90.97) 76.55,94.35 81.87,94.35 85.1,97.57 85.1,106.31 v1(81.24,110.17) 80.54,109.47
  Bottom w0.25: v1(81.24,110.17) 80.5,110.91 ; v1(73.17,90.97) 73.88,90.27
Net-(LED13-DOUT): length 31.3
  Top w0.25: v1(73.17,71.92) 73.91,72.66 ; 80.56,90.31 v1(81.21,90.96) 85.05,87.13 85.05,78.9 81.52,75.37 76.45,75.37 74.43,73.36 LED14.2
  Bottom w0.25: v1(73.17,71.92) 73.88,71.22 ; v1(81.21,90.96) 80.42,91.75
Net-(LED14-DOUT): length 32.9
  Top w0.25: 80.45,71.26 v1(81.18,71.99) 82.23,71.99 83.7,70.52 83.7,64.32 84.69,63.33 84.69,59.44 81.72,56.47 76.47,56.47 74.43,54.43 LED15.2 ; 73.99,53.69 v1(73.17,52.87) 73.91,53.61
  Bottom w0.25: v1(73.17,52.87) 73.88,52.17 ; v1(81.18,71.99) 80.47,72.7
Net-(LED15-DOUT): length 32.3
  Top w0.25: 80.61,52.21 v1(81.3,52.9) 81.3,52.89 82.09,52.1 82.1,52.1 84.82,49.38 84.82,40.6 81.52,37.3 76.65,37.3 v1(73.17,33.82) 73.91,34.56
  Bottom w0.25: v1(73.17,33.82) 73.88,33.12 ; v1(81.3,52.9) 80.55,53.65
Net-(LED16-DOUT): length 16.1
  Top w0.25: 80.59,33.16 v1(81.28,33.85) 83.81,31.32 v1(92.22,31.32) 92.96,32.06
  Bottom w0.25: v1(81.28,33.85) 80.53,34.6 ; v1(92.22,31.32) 92.93,30.62
Net-(LED17-DOUT): length 36
  Top w0.25: 99.58,30.66 v1(100.28,31.36) 101.02,32.11 101.02,33.82 100.4,34.45 91.74,34.45 87.47,38.71 87.47,45.62 v1(92.22,50.37) 92.96,51.11
  Bottom w0.25: v1(92.22,50.37) 92.93,49.67 ; v1(100.28,31.36) 99.54,32.1
Net-(LED18-DOUT): length 38.4
  Top w0.25: 92.96,70.16 v1(92.22,69.42) 87.07,64.27 87.07,55.9 89.52,53.45 100.87,53.45 101.52,52.8 101.52,51.66 v1(100.26,50.39) 99.58,49.71
  Bottom w0.25: v1(92.22,69.42) 92.93,68.72 ; v1(100.26,50.39) 99.5,51.15
Net-(LED19-DOUT): length 37.6
  Top w0.25: 92.96,89.21 v1(92.22,88.47) 87.17,83.42 87.17,74.15 88.75,72.57 100.02,72.57 100.8,71.79 100.8,70.01 v1(100.28,69.49) 99.55,68.76
  Bottom w0.25: v1(92.22,88.47) 92.93,87.77 ; v1(100.28,69.49) 99.57,70.2
Net-(LED20-DOUT): length 38.5
  Top w0.25: 93.56,108.26 92.76,108.26 v1(92.06,107.55) 87.15,102.64 87.15,94 89.62,91.52 100.25,91.52 101.05,90.72 101.05,89.33 v1(100.23,88.51) 99.53,87.81
  Bottom w0.25: v1(92.06,107.55) 92.33,107.55 93.06,106.82 ; v1(100.23,88.51) 99.49,89.25
Net-(LED21-DOUT): length 17.2
  Top w0.25: 112.01,103.36 v1(111.27,102.62) 106.29,107.6 v1(100.25,107.6) 99.51,106.86
  Bottom w0.25: v1(111.27,102.62) 111.98,101.92 ; v1(100.25,107.6) 99.56,108.3
Net-(LED22-DOUT): length 31.4
  Top w0.25: v1(111.27,83.57) 112.01,84.31 ; LED23.2 112.53,85.11 114.42,87 119.62,87 123.17,90.55 123.17,98.78 v1(119.26,102.69) 118.53,101.96
  Bottom w0.25: v1(111.27,83.57) 111.98,82.87 ; v1(119.26,102.69) 118.55,103.4
Net-(LED23-DOUT): length 31.7
  Top w0.25: LED24.2 112.53,66.01 114.52,68 119.7,68 123.27,71.57 123.27,80.33 120,83.6 v1(119.43,83.6) 118.74,82.91 ; v1(111.27,64.52) 112.01,65.26
  Bottom w0.25: v1(119.43,83.6) 118.68,84.35 ; v1(111.27,64.52) 111.98,63.82
Net-(LED24-DOUT): length 32.2
  Top w0.25: 111.95,46.15 v1(111.27,45.47) 112.01,46.21 ; LED25.2 112.53,46.98 114.5,48.95 119.7,48.95 122.97,52.22 122.97,61.08 v1(119.45,64.6) 118.71,63.86
  Bottom w0.25: v1(111.27,45.47) 111.98,44.77 ; v1(119.45,64.6) 118.75,65.3
Net-(LED25-DOUT): length 15.1
  Top w0.25: 118.55,44.81 v1(119.28,45.54) 130.25,45.54 v1(130.32,45.47) 131.06,46.21
  Bottom w0.25: v1(119.28,45.54) 118.57,46.25 ; v1(130.32,45.47) 131.03,44.77
Net-(LED26-DOUT): length 28.6
  Top w0.25: 137.59,44.81 v1(138.32,45.54) 139.42,46.65 139.42,47.7 138.05,49.07 135.73,49.07 134.92,49.88 134.92,55.64 131.4,59.16 131.4,60.06 130.32,61.15 v1(130.32,64.52) 131.06,65.26
  Bottom w0.25: v1(138.32,45.54) 137.61,46.25 ; v1(130.32,64.52) 131.03,63.82
Net-(LED27-DOUT): length 29.2
  Top w0.25: 137.54,63.86 138.27,64.59 v1(138.36,64.59) 139.27,65.51 139.27,67.47 138.82,67.92 135.72,67.92 134.42,69.22 134.42,75.28 130.72,78.98 130.72,81.81 130.32,82.21 v1(130.32,83.57) 131.06,84.31
  Bottom w0.25: v1(138.36,64.59) 138.22,64.59 137.51,65.3 ; v1(130.32,83.57) 131.03,82.87
Net-(LED28-DOUT): length 29.7
  Top w0.25: 131.06,103.36 v1(130.32,102.62) 130.32,99.5 130.65,99.17 130.65,98.11 134.92,93.83 134.92,87.98 135.72,87.19 138.41,87.19 139.82,85.77 139.82,84.23 139.24,83.64 v1(138.32,83.64) 137.59,82.91
  Bottom w0.25: v1(138.32,83.64) 137.61,84.35 ; v1(130.32,102.62) 131.03,101.92
Net-(LED29-DOUT): length 6.9
  Top w0.25: LED29.4 138.62,101.94 TP1.1
  Bottom w0.25: 137.04,103.44 140.56,103.44
unconnected-(U2-RUN-Pad30): length 15.2
  Bottom w0.15: U2.30 U2.30

## Copper pours and planes (outline as drawn; the poured copper is in the pictures)
GND on Bottom: -0.4,22.04 11.37,-0.97 67.91,15.03 105.85,15.03 145.68,29.92 145.45,108.67 89.59,116.09 0,116.25 -0.48,29.81
VSYS on Top: 0.2,21.95 10.97,0.8 13.02,0.1 67.72,15.5 105.82,15.5 145.42,30.07 145.42,108.67 86.82,116.25 0,116.25 0,23.12

Small or netless copper shapes (teardrops, artwork), in the pictures only: 285 on Top, 206 on Bottom

## Text on the board
Bottom: ${REVISION}
B.Silkscreen: G19 | 3V3EN | G21 | GND | 3V3 | LH | RH | VSYS | G27 | G22 | G20 | G28 | G26 | G18 | JLCJLCJLCJLC | USB
User.Eco1: s26 | s27 | s1 | s7 | s13 | s19 | s2 | s14 | s20 | s28 | s8 | s21 | s3 | s15 | s9 | s29 | s16 | s22 | s30 | s4 | s10 | s11 | s5 | s17 | s23 | s12 | s6 | s18 | s24
F.Silkscreen: G19 | 3V3 | GND | VSYS | G27 | G22 | G20 | G28 | G26 | G18 | 3V3EN | G21 | Sofle-Pico - Neff + Werle / https://soflepico.com/ / Based on Sofle - Josef Adamcik / https://josefadamcik.github.io/SofleKeyboard | WayWayWay
